# KiCad board HPM6E00FULLPORTRevB.kicad_pcb (continued)
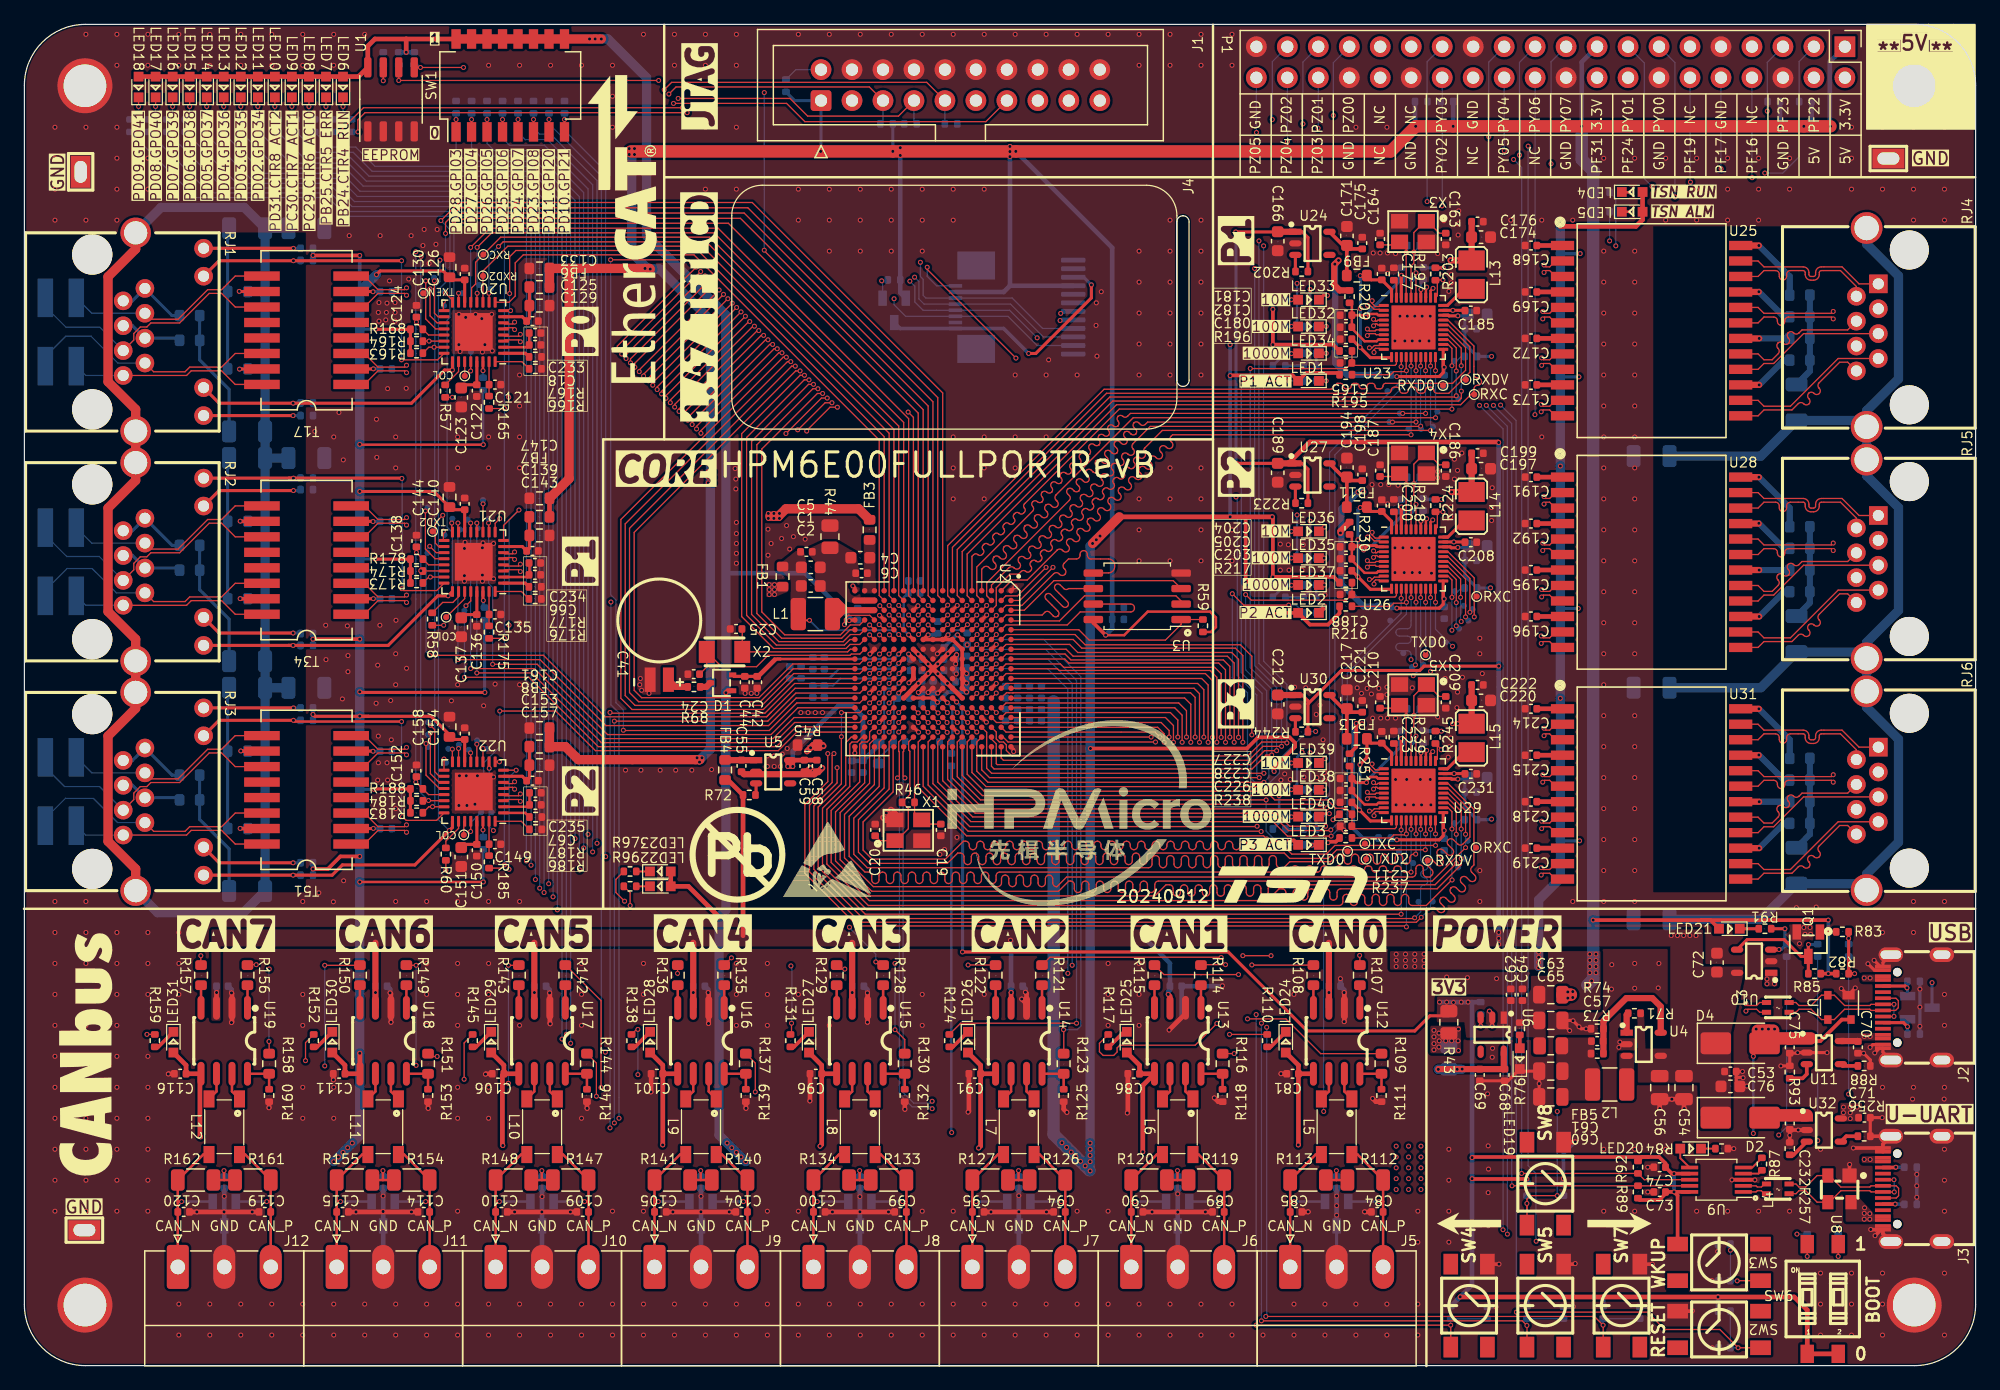
[diagram p0: board, top side]
## Routing (per net, layer and track width the routed paths; a pad name or vN(x,y) marks a point on that pad's centre or on a via; arc(x,y) is an arc through that point) (continued)
/HPM6E00 FULL PORT MAINENTRY/PB1: length 58.9
  Top w0.102: U2.G2 75.71,63.15 75.71,67.25 88.53,80.08 107.15,80.08 107.64,80.56 107.93,80.56 arc(108.09,80.49) 108.15,80.34 arc(108.22,80.18) 108.37,80.12 108.58,80.12 arc(108.74,80.18) 108.8,80.34 arc(108.87,80.49) 109.02,80.56 109.23,80.56 arc(109.39,80.49) 109.45,80.34 arc(109.52,80.18) 109.67,80.12 109.88,80.12 arc(110.04,80.18) 110.1,80.34 arc(110.17,80.49) 110.32,80.56 110.53,80.56 arc(110.69,80.49) 110.75,80.34 arc(110.82,80.18) 110.97,80.12 111.18,80.12 arc(111.34,80.18) 111.4,80.34 arc(111.47,80.49) 111.62,80.56 117.11,80.56 118.18,81.63 118.18,83.51 116.73,84.95 U23.25
/HPM6E00 FULL PORT MAINENTRY/PB2: length 55.8
  Top w0.102: v1(117.82,82.01) 117.82,83.45 116.73,84.55 U23.24 ; U2.F1 76.9,66.77 89.25,79.11 117.59,79.11 117.83,79.35 v1(117.83,79.92)
  Bottom w0.102: v1(117.82,82.01) 117.82,81.25 arc(117.87,81.13) 117.99,81.08 arc(118.11,81.03) RXD1#4.1 118.16,80.75 arc(118.11,80.63) 117.99,80.58 arc(117.87,80.53) 117.82,80.41 117.82,79.93 v1(117.83,79.92)
/HPM6E00 FULL PORT MAINENTRY/PB3: length 55.8
  Top w0.102: U2.F2 76.49,63.16 76.49,66.93 89,79.44 117.31,79.44 v1(117.41,79.54) ; U23.23 116.73,84.15 117.41,83.47 v1(117.41,81.57)
  Bottom w0.102: v1(117.41,81.57) 117.41,79.54 v1(117.41,79.54)
/HPM6E00 FULL PORT MAINENTRY/PB4: length 57.1
  Top w0.102: U23.22 116.74,83.75 117.06,83.43 v1(117.06,82.01) ; v1(117.06,78.45) 89.78,78.45 82.08,70.76 82,70.67 arc(81.93,70.5) 82,70.33 arc(82.07,70.16) 82,69.99 81.92,69.91 arc(81.75,69.84) 81.58,69.91 arc(81.41,69.98) 81.23,69.91 81.15,69.83 arc(81.08,69.65) 81.15,69.48 arc(81.23,69.31) 81.15,69.14 81.07,69.06 arc(80.9,68.99) 80.73,69.06 arc(80.56,69.13) 80.39,69.06 80.31,68.98 arc(80.23,68.81) 80.31,68.63 arc(80.38,68.46) 80.31,68.29 80.23,68.21 arc(80.05,68.14) 79.88,68.21 arc(79.71,68.28) 79.54,68.21 79.46,68.13 arc(79.39,67.96) 79.46,67.79 arc(79.53,67.61) 79.46,67.44 79.38,67.36 arc(79.21,67.29) 79.03,67.36 arc(78.86,67.43) 78.69,67.36 78.61,67.28 arc(78.54,67.11) 78.61,66.94 arc(78.68,66.76) 78.61,66.59 78.53,66.51 arc(78.36,66.44) 78.18,66.51 arc(78.01,66.58) 77.84,66.51 77.7,66.37 U2.E1
  Bottom w0.102: v1(117.06,78.45) v1(117.06,82.01) 117.82,82.77 R194.2
/HPM6E00 FULL PORT MAINENTRY/PB5: length 58.9
  Top w0.102: U23.27 116.73,85.75 118.86,83.62 118.86,81.3 arc(118.95,81.09) 119.16,81 119.19,81 arc(119.4,80.91) 119.49,80.7 arc(119.4,80.49) 119.19,80.4 119.16,80.4 arc(118.95,80.31) 118.86,80.1 118.86,79.9 117.77,78.81 89.55,78.81 77.31,66.56 77.31,63.15 U2.E2
/HPM6E00 FULL PORT MAINENTRY/PB6: length 55.8
  Top w0.102: U2.D1 78.5,65.32 78.65,65.47 arc(78.87,65.56) 79.08,65.47 79.17,65.38 arc(79.39,65.29) 79.6,65.38 arc(79.69,65.59) 79.6,65.8 79.5,65.9 arc(79.41,66.11) 79.5,66.32 arc(79.71,66.41) 79.93,66.32 80.02,66.22 arc(80.23,66.14) 80.45,66.22 arc(80.53,66.44) 80.45,66.65 80.35,66.74 arc(80.26,66.96) 80.35,67.17 arc(80.56,67.26) 80.77,67.17 80.87,67.07 arc(81.08,66.99) 81.29,67.07 arc(81.38,67.29) 81.29,67.5 81.2,67.59 arc(81.11,67.8) 81.2,68.02 arc(81.41,68.1) 81.62,68.02 81.72,67.92 arc(81.93,67.83) 82.14,67.92 arc(82.23,68.13) 82.14,68.35 82.05,68.44 arc(81.96,68.65) 82.05,68.87 arc(82.26,68.95) 82.47,68.87 82.57,68.77 arc(82.78,68.68) 82.99,68.77 arc(83.08,68.98) 82.99,69.19 82.9,69.29 arc(82.81,69.5) 82.9,69.71 arc(83.11,69.8) 83.32,69.71 83.42,69.62 arc(83.63,69.53) 83.84,69.62 arc(83.93,69.83) 83.84,70.04 83.74,70.14 arc(83.66,70.35) 83.74,70.56 arc(83.96,70.65) 84.17,70.56 84.26,70.47 arc(84.48,70.38) 84.69,70.47 arc(84.78,70.68) 84.69,70.89 84.59,70.99 arc(84.51,71.2) 84.59,71.41 90.92,77.74 113.96,77.74 113.96,77.74 114.26,77.74 114.26,77.74 v1(115.71,77.74) ; U23.20 115.71,81.61 v1(115.71,81.6)
  Bottom w0.102: v1(115.71,77.74) v1(115.71,81.6)
/HPM6E00 FULL PORT MAINENTRY/PB7: length 56
  Top w0.102: v1(114.9,78.09) 114.9,78.1 v1(113.02,78.1) 90.69,78.1 90.45,77.86 arc(90.26,77.78) 90.07,77.86 arc(89.88,77.94) 89.68,77.86 89.68,77.85 arc(89.6,77.66) 89.68,77.47 arc(89.76,77.27) 89.68,77.08 89.68,77.08 arc(89.48,77) 89.29,77.08 arc(89.1,77.16) 88.91,77.08 88.9,77.07 arc(88.82,76.88) 88.9,76.69 arc(88.98,76.5) 88.9,76.3 88.9,76.3 arc(88.71,76.22) 88.51,76.3 arc(88.32,76.38) 88.13,76.3 88.12,76.3 arc(88.04,76.1) 88.12,75.91 arc(88.2,75.72) 88.12,75.53 88.12,75.52 arc(87.93,75.44) 87.74,75.52 arc(87.54,75.6) 87.35,75.52 87.35,75.52 arc(87.27,75.33) 87.35,75.13 arc(87.43,74.94) 87.35,74.75 87.34,74.74 arc(87.15,74.66) 86.96,74.74 arc(86.76,74.82) 86.57,74.74 86.57,74.74 arc(86.49,74.55) 86.57,74.36 arc(86.65,74.16) 86.57,73.97 86.56,73.97 arc(86.37,73.89) 86.18,73.97 arc(85.99,74.05) 85.79,73.97 85.79,73.96 arc(85.71,73.77) 85.79,73.58 arc(85.87,73.39) 85.79,73.19 85.79,73.19 arc(85.59,73.11) 85.4,73.19 arc(85.21,73.27) 85.02,73.19 85.01,73.19 arc(84.93,72.99) 85.01,72.8 arc(85.09,72.61) 85.01,72.41 85.01,72.41 arc(84.82,72.33) 84.62,72.41 arc(84.43,72.49) 84.24,72.41 84.24,72.41 arc(84.16,72.21) 84.24,72.02 arc(84.32,71.83) 84.24,71.64 84.23,71.63 arc(84.04,71.55) 83.85,71.63 arc(83.65,71.71) 83.46,71.63 83.46,71.63 arc(83.38,71.44) 83.46,71.24 arc(83.54,71.05) 83.46,70.86 83.45,70.86 arc(83.26,70.78) 83.07,70.86 arc(82.88,70.94) 82.68,70.86 82.68,70.85 arc(82.6,70.66) 82.68,70.47 arc(82.76,70.27) 82.68,70.08 78.09,65.5 78.09,63.16 U2.D2 ; v1(114.9,81.6) 114.91,81.61 U23.18
  Bottom w0.102: v1(114.9,78.09) v1(114.9,81.6)
  Bottom w0.3: v1(113.02,78.1) 113.02,78.09 TXD0#3.1
/HPM6E00 FULL PORT MAINENTRY/PB8: length 55.8
  Top w0.102: U2.C1 79.3,64.01 80.72,65.43 arc(80.94,65.52) 81.15,65.43 81.17,65.41 arc(81.38,65.32) 81.6,65.41 arc(81.68,65.62) 81.6,65.83 81.57,65.86 arc(81.48,66.07) 81.57,66.28 arc(81.78,66.37) 82,66.28 82.02,66.26 arc(82.23,66.17) 82.45,66.26 arc(82.53,66.47) 82.45,66.68 82.42,66.71 arc(82.33,66.92) 82.42,67.13 arc(82.63,67.22) 82.85,67.13 82.87,67.11 arc(83.08,67.02) 83.29,67.11 arc(83.38,67.32) 83.29,67.53 83.27,67.55 arc(83.18,67.77) 83.27,67.98 arc(83.48,68.07) 83.69,67.98 83.72,67.95 arc(83.93,67.87) 84.14,67.95 arc(84.23,68.17) 84.14,68.38 84.12,68.4 arc(84.03,68.61) 84.12,68.83 arc(84.33,68.91) 84.54,68.83 84.57,68.8 arc(84.78,68.71) 84.99,68.8 arc(85.08,69.01) 84.99,69.23 84.97,69.25 arc(84.88,69.46) 84.97,69.68 arc(85.18,69.76) 85.39,69.68 85.42,69.65 arc(85.63,69.56) 85.84,69.65 arc(85.93,69.86) 85.84,70.08 85.81,70.1 arc(85.73,70.31) 85.81,70.52 arc(86.03,70.61) 86.24,70.52 86.26,70.5 arc(86.48,70.41) 86.69,70.5 arc(86.78,70.71) 86.69,70.92 86.66,70.95 arc(86.58,71.16) 86.66,71.37 arc(86.88,71.46) 87.09,71.37 87.11,71.35 arc(87.32,71.26) 87.54,71.35 arc(87.62,71.56) 87.54,71.77 87.51,71.8 arc(87.42,72.01) 87.51,72.22 arc(87.72,72.31) 87.94,72.22 87.96,72.2 arc(88.17,72.11) 88.39,72.2 arc(88.47,72.41) 88.39,72.62 88.36,72.65 arc(88.27,72.86) 88.36,73.07 arc(88.57,73.16) 88.78,73.07 88.81,73.05 arc(89.02,72.96) 89.23,73.05 arc(89.32,73.26) 89.23,73.47 89.21,73.49 arc(89.12,73.71) 89.21,73.92 arc(89.42,74.01) 89.63,73.92 89.66,73.89 arc(89.87,73.81) 90.08,73.89 arc(90.17,74.11) 90.08,74.32 90.06,74.34 arc(89.97,74.55) 90.06,74.77 arc(90.27,74.85) 90.48,74.77 90.51,74.74 arc(90.72,74.65) 90.93,74.74 arc(91.02,74.95) 90.93,75.17 90.91,75.19 arc(90.82,75.4) 90.91,75.62 92.32,77.03 114.47,77.03 v1(114.49,77.05) ; U23.17 114.51,81.99 v1(114.49,81.98)
  Bottom w0.102: v1(114.49,77.05) v1(114.49,81.98)
/HPM6E00 FULL PORT MAINENTRY/PB9: length 55.8
  Top w0.102: U2.C2 78.91,63.15 78.91,64.19 85.68,70.96 arc(85.76,71.16) 85.68,71.35 85.54,71.49 arc(85.46,71.69) 85.54,71.88 arc(85.74,71.96) 85.93,71.88 86.07,71.74 arc(86.27,71.66) 86.46,71.74 arc(86.54,71.94) 86.46,72.13 86.32,72.27 arc(86.24,72.46) 86.32,72.66 arc(86.52,72.74) 86.71,72.66 86.85,72.52 arc(87.04,72.44) 87.24,72.52 arc(87.32,72.71) 87.24,72.91 87.1,73.05 arc(87.02,73.24) 87.1,73.44 arc(87.29,73.52) 87.49,73.44 87.63,73.3 arc(87.82,73.22) 88.02,73.3 arc(88.1,73.49) 88.02,73.69 87.88,73.83 arc(87.8,74.02) 87.88,74.22 arc(88.07,74.3) 88.27,74.22 88.41,74.08 arc(88.6,73.99) 88.79,74.08 arc(88.88,74.27) 88.79,74.46 88.66,74.6 arc(88.57,74.8) 88.66,74.99 arc(88.85,75.07) 89.04,74.99 89.18,74.85 arc(89.38,74.77) 89.57,74.85 arc(89.65,75.05) 89.57,75.24 89.43,75.38 arc(89.35,75.58) 89.43,75.77 arc(89.63,75.85) 89.82,75.77 89.96,75.63 arc(90.16,75.55) 90.35,75.63 arc(90.43,75.83) 90.35,76.02 90.21,76.16 arc(90.13,76.35) 90.21,76.55 arc(90.41,76.63) 90.6,76.55 90.74,76.41 arc(90.93,76.33) 91.13,76.41 arc(91.21,76.6) 91.13,76.8 90.99,76.94 arc(90.91,77.13) 90.99,77.33 arc(91.18,77.41) 91.38,77.33 91.52,77.19 arc(91.71,77.11) 91.91,77.19 92.1,77.38 v1(112.18,77.38) 114.11,77.38 v1(114.11,77.39) ; v1(114.11,81.6) 114.11,81.61 U23.16
  Bottom w0.102: v1(114.11,77.39) 114.11,77.39 v1(114.11,81.6)
/HPM6E00 FULL PORT MAINENTRY/PB10: length 55
  Top w0.102: U2.B1 80.98,64.43 82.24,64.43 84.69,66.88 arc(84.9,66.97) 85.11,66.88 85.18,66.81 arc(85.39,66.72) 85.61,66.81 arc(85.69,67.02) 85.61,67.23 85.54,67.31 arc(85.45,67.52) 85.54,67.73 arc(85.75,67.82) 85.96,67.73 86.03,67.66 arc(86.24,67.57) 86.45,67.66 arc(86.54,67.87) 86.45,68.08 86.38,68.15 arc(86.3,68.37) 86.38,68.58 arc(86.6,68.67) 86.81,68.58 86.88,68.51 arc(87.09,68.42) 87.3,68.51 arc(87.39,68.72) 87.3,68.93 87.23,69 arc(87.14,69.21) 87.23,69.43 arc(87.44,69.51) 87.66,69.43 87.73,69.36 arc(87.94,69.27) 88.15,69.36 arc(88.24,69.57) 88.15,69.78 88.08,69.85 arc(87.99,70.06) 88.08,70.28 arc(88.29,70.36) 88.51,70.28 88.58,70.2 arc(88.79,70.12) 89,70.2 arc(89.09,70.42) 89,70.63 88.93,70.7 arc(88.84,70.91) 88.93,71.12 arc(89.14,71.21) 89.35,71.12 89.42,71.05 arc(89.64,70.97) 89.85,71.05 arc(89.94,71.27) 89.85,71.48 89.78,71.55 arc(89.69,71.76) 89.78,71.97 arc(89.99,72.06) 90.2,71.97 90.27,71.9 arc(90.49,71.81) 90.7,71.9 arc(90.79,72.11) 90.7,72.33 90.63,72.4 arc(90.54,72.61) 90.63,72.82 arc(90.84,72.91) 91.05,72.82 91.12,72.75 arc(91.33,72.66) 91.55,72.75 arc(91.63,72.96) 91.55,73.17 91.48,73.25 arc(91.39,73.46) 91.48,73.67 arc(91.69,73.76) 91.9,73.67 91.97,73.6 arc(92.18,73.51) 92.39,73.6 arc(92.48,73.81) 92.39,74.02 92.32,74.09 arc(92.24,74.31) 92.32,74.52 arc(92.54,74.61) 92.75,74.52 92.82,74.45 arc(93.03,74.36) 93.24,74.45 arc(93.33,74.66) 93.24,74.87 93.17,74.94 arc(93.08,75.15) 93.17,75.37 arc(93.38,75.45) 93.6,75.37 93.67,75.3 arc(93.88,75.21) 94.09,75.3 arc(94.18,75.51) 94.09,75.72 94.02,75.79 arc(93.93,76) 94.02,76.22 94.15,76.34 v1(113.71,76.34) ; v1(113.71,81.98) 113.71,81.98 U23.15
  Bottom w0.102: v1(113.71,81.98) v1(113.71,76.34)
/HPM6E00 FULL PORT MAINENTRY/PB11: length 55.8
  Top w0.102: U2.C3 79.7,62.35 79.7,63.79 80.81,64.91 81.52,64.91 81.75,65.14 arc(81.93,65.21) 82.1,65.14 arc(82.28,65.07) 82.45,65.14 82.53,65.21 arc(82.6,65.39) 82.53,65.57 arc(82.46,65.74) 82.53,65.92 82.6,65.99 arc(82.78,66.06) 82.95,65.99 arc(83.13,65.92) 83.3,65.99 83.38,66.06 arc(83.45,66.24) 83.38,66.41 arc(83.3,66.59) 83.38,66.76 83.45,66.84 arc(83.63,66.91) 83.8,66.84 arc(83.98,66.77) 84.15,66.84 84.22,66.91 arc(84.3,67.09) 84.22,67.26 arc(84.15,67.44) 84.22,67.61 84.3,67.69 arc(84.47,67.76) 84.65,67.69 arc(84.82,67.61) 85,67.69 85.07,67.76 arc(85.15,67.94) 85.07,68.11 arc(85,68.29) 85.07,68.46 85.15,68.53 arc(85.32,68.61) 85.5,68.53 arc(85.67,68.46) 85.85,68.53 85.92,68.61 arc(85.99,68.78) 85.92,68.96 arc(85.85,69.13) 85.92,69.31 86,69.38 arc(86.17,69.46) 86.35,69.38 arc(86.52,69.31) 86.7,69.38 86.77,69.46 arc(86.84,69.63) 86.77,69.81 arc(86.7,69.98) 86.77,70.16 86.84,70.23 arc(87.02,70.3) 87.19,70.23 arc(87.37,70.16) 87.55,70.23 87.62,70.31 arc(87.69,70.48) 87.62,70.66 arc(87.55,70.83) 87.62,71.01 87.69,71.08 arc(87.87,71.15) 88.04,71.08 arc(88.22,71.01) 88.39,71.08 88.47,71.15 arc(88.54,71.33) 88.47,71.5 arc(88.39,71.68) 88.47,71.86 88.54,71.93 arc(88.72,72) 88.89,71.93 arc(89.07,71.86) 89.24,71.93 89.32,72 arc(89.39,72.18) 89.32,72.35 arc(89.24,72.53) 89.32,72.7 89.39,72.78 arc(89.56,72.85) 89.74,72.78 arc(89.92,72.7) 90.09,72.78 90.16,72.85 arc(90.24,73.03) 90.16,73.2 arc(90.09,73.38) 90.16,73.55 90.24,73.63 arc(90.41,73.7) 90.59,73.63 arc(90.76,73.55) 90.94,73.63 91.01,73.7 arc(91.09,73.87) 91.01,74.05 arc(90.94,74.23) 91.01,74.4 91.09,74.47 arc(91.26,74.55) 91.44,74.47 arc(91.61,74.4) 91.79,74.47 91.86,74.55 arc(91.93,74.72) 91.86,74.9 arc(91.79,75.07) 91.86,75.25 93.31,76.7 v1(115.31,76.7) ; v1(115.31,81.98) 115.31,81.98 U23.19
  Bottom w0.102: v1(115.31,81.98) v1(115.31,76.7)
/HPM6E00 FULL PORT MAINENTRY/PB12: length 51.8
  Top w0.102: v1(118.53,61.79) 118.53,64.56 116.74,66.35 U26.26 ; U2.G4 76.1,61.17 v1(76.49,61.56)
  POWER3 w0.102: v1(76.49,61.56) 76.88,61.94 76.88,62.98 78.98,65.09 100.35,65.09 103.67,61.76 118.51,61.76 v1(118.53,61.79)
/HPM6E00 FULL PORT MAINENTRY/PB13: length 51.7
  Top w0.102: U26.25 116.73,65.95 118.18,64.51 v1(118.18,61.41) ; v1(77.28,62.35) 77.28,62.33 U2.F3
  POWER3 w0.102: v1(77.28,62.35) 77.28,62.88 79.11,64.71 96.56,64.71 96.76,64.51 arc(96.98,64.42) 97.19,64.51 97.47,64.79 arc(97.68,64.88) 97.9,64.79 arc(97.98,64.58) 97.9,64.36 97.61,64.08 arc(97.52,63.87) 97.61,63.66 99.86,61.41 100.35,61.41 arc(100.53,61.48) 100.6,61.67 arc(100.68,61.85) 100.86,61.92 100.95,61.92 arc(101.13,61.85) 101.2,61.67 arc(101.28,61.48) 101.46,61.41 118.18,61.41 v1(118.18,61.41)
/HPM6E00 FULL PORT MAINENTRY/PB14: length 51.5
  Top w0.102: v1(117.77,63.01) 117.77,64.51 116.73,65.55 U26.24 ; U2.F4 77.28,61.53 v1(77.31,61.53)
  POWER3 w0.102: v1(77.31,61.53) 77.69,61.92 77.69,62.78 79.21,64.3 91.51,64.3 arc(91.67,64.24) 91.73,64.08 arc(91.8,63.92) 91.95,63.86 92.11,63.86 arc(92.27,63.92) 92.33,64.08 arc(92.4,64.24) 92.55,64.3 92.71,64.3 arc(92.87,64.24) 92.93,64.08 arc(93,63.92) 93.15,63.86 93.31,63.86 arc(93.47,63.92) 93.53,64.08 arc(93.6,64.24) 93.75,64.3 93.91,64.3 arc(94.07,64.24) 94.13,64.08 arc(94.2,63.92) 94.35,63.86 94.51,63.86 arc(94.67,63.92) 94.73,64.08 arc(94.8,64.24) 94.95,64.3 95.11,64.3 arc(95.27,64.24) 95.33,64.08 arc(95.4,63.92) 95.55,63.86 95.71,63.86 arc(95.87,63.92) 95.93,64.08 arc(96,64.24) 96.15,64.3 96.41,64.3 99.68,61.03 v1(117.82,61.03)
  Bottom w0.102: v1(117.82,61.03) 117.77,61.08 117.77,63.01 v1(117.77,63.01)
/HPM6E00 FULL PORT MAINENTRY/PB15: length 51.5
  Top w0.102: v1(78.09,62.35) U2.E3 ; v1(117.41,62.58) 117.41,64.47 116.73,65.15 U26.23
  POWER3 w0.102: v1(117.41,60.67) 99.46,60.67 96.61,63.52 91.4,63.52 arc(91.23,63.59) 91.15,63.77 arc(91.08,63.95) 90.9,64.02 90.8,64.02 arc(90.63,63.95) 90.55,63.77 arc(90.48,63.59) 90.3,63.52 90.2,63.52 arc(90.03,63.59) 89.95,63.77 arc(89.88,63.95) 89.7,64.02 89.6,64.02 arc(89.43,63.95) 89.35,63.77 arc(89.28,63.59) 89.1,63.52 89,63.52 arc(88.83,63.59) 88.75,63.77 arc(88.68,63.95) 88.5,64.02 88.4,64.02 arc(88.23,63.95) 88.15,63.77 arc(88.08,63.59) 87.9,63.52 87.8,63.52 arc(87.63,63.59) 87.55,63.77 arc(87.48,63.95) 87.3,64.02 87.2,64.02 arc(87.03,63.95) 86.95,63.77 arc(86.88,63.59) 86.7,63.52 86.6,63.52 arc(86.43,63.59) 86.35,63.77 arc(86.28,63.95) 86.1,64.02 86,64.02 arc(85.83,63.95) 85.75,63.77 arc(85.68,63.59) 85.5,63.52 85.4,63.52 arc(85.23,63.59) 85.15,63.77 arc(85.08,63.95) 84.9,64.02 84.8,64.02 arc(84.63,63.95) 84.55,63.77 arc(84.48,63.59) 84.3,63.52 84.2,63.52 arc(84.03,63.59) 83.95,63.77 arc(83.88,63.95) 83.7,64.02 83.6,64.02 arc(83.43,63.95) 83.35,63.77 arc(83.28,63.59) 83.1,63.52 83,63.52 arc(82.83,63.59) 82.75,63.77 arc(82.68,63.95) 82.5,64.02 82.4,64.02 arc(82.23,63.95) 82.15,63.77 arc(82.08,63.59) 81.9,63.52 78.96,63.52 78.09,62.65 v1(78.09,62.35)
  Bottom w0.102: v1(117.41,60.67) v1(117.41,62.58)
/HPM6E00 FULL PORT MAINENTRY/PB16: length 64.9
  Top w0.102: v1(117.06,63.01) 117.06,64.43 116.74,64.75 U26.22 ; v1(78.09,61.56) 77.7,61.17 U2.E4
  POWER3 w0.102: v1(78.09,61.56) 78.09,61.76 78.5,62.17 78.5,62.58 79.06,63.13 96.38,63.13 96.61,62.91 arc(96.7,62.69) 96.61,62.48 96.33,62.2 arc(96.24,61.99) 96.33,61.77 arc(96.54,61.69) 96.75,61.77 97.04,62.06 arc(97.25,62.15) 97.46,62.06 arc(97.55,61.85) 97.46,61.63 97.18,61.35 arc(97.09,61.14) 97.18,60.93 arc(97.39,60.84) 97.6,60.93 97.88,61.21 arc(98.1,61.3) 98.31,61.21 arc(98.4,61) 98.31,60.78 98.03,60.5 arc(97.94,60.29) 98.03,60.08 arc(98.24,59.99) 98.45,60.08 98.73,60.36 arc(98.94,60.45) 99.16,60.36 99.21,60.31 99.51,60.31 arc(99.72,60.22) 99.81,60.01 99.81,59.91 arc(99.89,59.7) 100.11,59.61 arc(100.32,59.7) 100.41,59.91 100.41,60.01 arc(100.49,60.22) 100.71,60.31 arc(100.92,60.22) 101.01,60.01 101.01,59.91 arc(101.09,59.7) 101.31,59.61 arc(101.52,59.7) 101.61,59.91 101.61,60.01 arc(101.69,60.22) 101.91,60.31 arc(102.12,60.22) 102.21,60.01 102.21,59.91 arc(102.29,59.7) 102.51,59.61 arc(102.72,59.7) 102.81,59.91 102.81,60.01 arc(102.89,60.22) 103.11,60.31 arc(103.32,60.22) 103.41,60.01 103.41,59.91 arc(103.49,59.7) 103.71,59.61 arc(103.92,59.7) 104.01,59.91 104.01,60.01 arc(104.09,60.22) 104.31,60.31 arc(104.52,60.22) 104.61,60.01 104.61,59.91 arc(104.69,59.7) 104.91,59.61 arc(105.12,59.7) 105.21,59.91 105.21,60.01 arc(105.29,60.22) 105.51,60.31 arc(105.72,60.22) 105.81,60.01 105.81,59.91 arc(105.89,59.7) 106.11,59.61 arc(106.32,59.7) 106.41,59.91 106.41,60.01 arc(106.49,60.22) 106.71,60.31 arc(106.92,60.22) 107.01,60.01 107.01,59.91 arc(107.09,59.7) 107.31,59.61 arc(107.52,59.7) 107.61,59.91 107.61,60.01 arc(107.69,60.22) 107.91,60.31 arc(108.12,60.22) 108.21,60.01 108.21,59.91 arc(108.29,59.7) 108.51,59.61 arc(108.72,59.7) 108.81,59.91 108.81,60.01 arc(108.89,60.22) 109.11,60.31 arc(109.32,60.22) 109.41,60.01 109.41,59.91 arc(109.49,59.7) 109.71,59.61 arc(109.92,59.7) 110.01,59.91 110.01,60.01 arc(110.09,60.22) 110.31,60.31 arc(110.52,60.22) 110.61,60.01 110.61,59.91 arc(110.69,59.7) 110.91,59.61 arc(111.12,59.7) 111.21,59.91 111.21,60.01 arc(111.29,60.22) 111.51,60.31 arc(111.72,60.22) 111.81,60.01 111.81,59.91 arc(111.89,59.7) 112.11,59.61 arc(112.32,59.7) 112.41,59.91 112.41,60.01 arc(112.49,60.22) 112.71,60.31 arc(112.92,60.22) 113.01,60.01 113.01,59.91 arc(113.09,59.7) 113.31,59.61 arc(113.52,59.7) 113.61,59.91 113.61,60.01 arc(113.69,60.22) 113.91,60.31 arc(114.12,60.22) 114.21,60.01 114.21,59.91 arc(114.29,59.7) 114.51,59.61 arc(114.72,59.7) 114.81,59.91 114.81,60.01 arc(114.89,60.22) 115.11,60.31 arc(115.32,60.22) 115.41,60.01 115.41,59.91 arc(115.49,59.7) 115.71,59.61 arc(115.92,59.7) 116.01,59.91 116.01,60.01 arc(116.09,60.22) 116.31,60.31 v1(117.06,60.31)
  Bottom w0.102: R215.2 117.82,63.77 v1(117.06,63.01) 117.06,60.31 v1(117.06,60.31)
/HPM6E00 FULL PORT MAINENTRY/PB17: length 51.7
  Top w0.102: v1(118.89,61.4) 118.89,61.41 118.89,64.6 116.73,66.75 U26.27 ; v1(78.91,62.35) 78.51,61.95 U2.D3
  POWER3 w0.102: v1(118.89,61.4) 118.89,61.38 118.79,61.29 arc(118.71,61.08) 118.79,60.86 118.92,60.74 arc(119.01,60.53) 118.92,60.31 arc(118.71,60.23) 118.49,60.31 118.37,60.44 arc(118.16,60.53) 117.95,60.44 arc(117.86,60.23) 117.95,60.02 118.07,59.89 arc(118.16,59.68) 118.07,59.47 arc(117.86,59.38) 117.65,59.47 117.52,59.59 arc(117.31,59.68) 117.1,59.59 116.83,59.32 98.36,59.32 94.94,62.75 79.31,62.75 v1(78.91,62.35)
/HPM6E00 FULL PORT MAINENTRY/PB18: length 58.3
  Top w0.102: v1(115.71,62.6) 115.71,62.61 U26.20 ; v1(77.33,60.77) 77.32,60.77 U2.F5
  POWER3 w0.102: v1(77.33,60.77) 77.66,61.1 78.17,61.1 78.48,61.41 78.48,61.71 78.71,61.95 79.07,61.95 79.47,62.35 94.83,62.35 94.96,62.22 arc(95.04,62.03) 94.96,61.83 94.82,61.69 arc(94.74,61.5) 94.82,61.3 arc(95.01,61.22) 95.21,61.3 95.35,61.44 arc(95.54,61.52) 95.74,61.44 arc(95.82,61.25) 95.74,61.05 95.6,60.91 arc(95.52,60.72) 95.6,60.52 arc(95.79,60.44) 95.99,60.52 96.13,60.66 arc(96.32,60.74) 96.52,60.66 arc(96.6,60.47) 96.52,60.28 96.37,60.13 arc(96.29,59.94) 96.37,59.74 arc(96.57,59.66) 96.76,59.74 96.91,59.89 arc(97.1,59.97) 97.29,59.89 arc(97.37,59.69) 97.29,59.5 97.15,59.36 arc(97.07,59.16) 97.15,58.97 arc(97.35,58.89) 97.54,58.97 97.68,59.11 arc(97.88,59.19) 98.07,59.11 98.21,58.97 98.34,58.97 arc(98.49,58.91) 98.55,58.76 arc(98.61,58.61) 98.76,58.55 98.94,58.55 arc(99.09,58.61) 99.15,58.76 arc(99.21,58.91) 99.36,58.97 99.54,58.97 arc(99.69,58.91) 99.75,58.76 arc(99.81,58.61) 99.96,58.55 100.14,58.55 arc(100.29,58.61) 100.35,58.76 arc(100.41,58.91) 100.56,58.97 100.74,58.97 arc(100.89,58.91) 100.95,58.76 arc(101.01,58.61) 101.16,58.55 101.34,58.55 arc(101.49,58.61) 101.55,58.76 arc(101.61,58.91) 101.76,58.97 101.94,58.97 arc(102.09,58.91) 102.15,58.76 arc(102.21,58.61) 102.36,58.55 102.54,58.55 arc(102.69,58.61) 102.75,58.76 arc(102.81,58.91) 102.96,58.97 103.14,58.97 arc(103.29,58.91) 103.35,58.76 arc(103.41,58.61) 103.56,58.55 103.74,58.55 arc(103.89,58.61) 103.95,58.76 arc(104.01,58.91) 104.16,58.97 104.34,58.97 arc(104.49,58.91) 104.55,58.76 arc(104.61,58.61) 104.76,58.55 104.94,58.55 arc(105.09,58.61) 105.15,58.76 arc(105.21,58.91) 105.36,58.97 105.54,58.97 arc(105.69,58.91) 105.75,58.76 arc(105.81,58.61) 105.96,58.55 106.14,58.55 arc(106.29,58.61) 106.35,58.76 arc(106.41,58.91) 106.56,58.97 106.74,58.97 arc(106.89,58.91) 106.95,58.76 arc(107.01,58.61) 107.16,58.55 107.34,58.55 arc(107.49,58.61) 107.55,58.76 arc(107.61,58.91) 107.76,58.97 107.94,58.97 arc(108.09,58.91) 108.15,58.76 arc(108.21,58.61) 108.36,58.55 108.54,58.55 arc(108.69,58.61) 108.75,58.76 arc(108.81,58.91) 108.96,58.97 109.14,58.97 arc(109.29,58.91) 109.35,58.76 arc(109.41,58.61) 109.56,58.55 109.74,58.55 arc(109.89,58.61) 109.95,58.76 arc(110.01,58.91) 110.16,58.97 110.34,58.97 arc(110.49,58.91) 110.55,58.76 arc(110.61,58.61) 110.76,58.55 110.94,58.55 arc(111.09,58.61) 111.15,58.76 arc(111.21,58.91) 111.36,58.97 111.54,58.97 arc(111.69,58.91) 111.75,58.76 arc(111.81,58.61) 111.96,58.55 112.14,58.55 arc(112.29,58.61) 112.35,58.76 arc(112.41,58.91) 112.56,58.97 112.74,58.97 arc(112.89,58.91) 112.95,58.76 arc(113.01,58.61) 113.16,58.55 113.34,58.55 arc(113.49,58.61) 113.55,58.76 arc(113.61,58.91) 113.76,58.97 117.08,58.97 v1(117.11,58.99)
  Bottom w0.102: v1(115.71,62.6) 115.71,60.39 v1(117.11,58.99)
/HPM6E00 FULL PORT MAINENTRY/PB19: length 44.9
  Top w0.102: v1(78.09,60.75) U2.E5 ; v1(114.9,62.6) 114.91,62.61 U26.18
  POWER3 w0.102: v1(78.09,60.75) 78.25,60.75 78.65,61.15 79.06,61.15 79.29,61.38 79.29,61.76 79.49,61.97 93.74,61.97 97.45,58.26 114.57,58.26 v1(114.9,58.59)
  Bottom w0.102: v1(114.9,58.59) v1(114.9,62.6)
/HPM6E00 FULL PORT MAINENTRY/PB20: length 51.5
  Top w0.102: U2.E6 77.71,59.55 v1(78.12,59.96) ; v1(114.49,62.99) 114.51,63 U26.17
  POWER3 w0.102: v1(78.12,59.96) 78.5,60.34 89.04,60.34 93.23,56.15 95.01,56.15 arc(95.15,56.21) 95.2,56.34 arc(95.26,56.47) 95.39,56.53 95.61,56.53 arc(95.75,56.47) 95.8,56.34 arc(95.86,56.21) 95.99,56.15 96.21,56.15 arc(96.35,56.21) 96.4,56.34 arc(96.46,56.47) 96.59,56.53 96.81,56.53 arc(96.95,56.47) 97,56.34 arc(97.06,56.21) 97.19,56.15 97.41,56.15 arc(97.55,56.21) 97.6,56.34 arc(97.66,56.47) 97.79,56.53 98.01,56.53 arc(98.15,56.47) 98.2,56.34 arc(98.26,56.21) 98.39,56.15 98.61,56.15 arc(98.75,56.21) 98.8,56.34 arc(98.86,56.47) 98.99,56.53 99.21,56.53 arc(99.35,56.47) 99.4,56.34 arc(99.46,56.21) 99.59,56.15 99.81,56.15 arc(99.95,56.21) 100,56.34 arc(100.06,56.47) 100.19,56.53 100.41,56.53 arc(100.55,56.47) 100.6,56.34 arc(100.66,56.21) 100.79,56.15 101.01,56.15 arc(101.15,56.21) 101.2,56.34 arc(101.26,56.47) 101.39,56.53 101.61,56.53 arc(101.75,56.47) 101.8,56.34 arc(101.86,56.21) 101.99,56.15 102.21,56.15 arc(102.35,56.21) 102.4,56.34 arc(102.46,56.47) 102.59,56.53 102.81,56.53 arc(102.95,56.47) 103,56.34 arc(103.06,56.21) 103.19,56.15 103.41,56.15 arc(103.55,56.21) 103.6,56.34 arc(103.66,56.47) 103.79,56.53 104.01,56.53 arc(104.15,56.47) 104.2,56.34 arc(104.26,56.21) 104.39,56.15 104.61,56.15 arc(104.75,56.21) 104.8,56.34 arc(104.86,56.47) 104.99,56.53 105.21,56.53 arc(105.35,56.47) 105.4,56.34 arc(105.46,56.21) 105.59,56.15 105.81,56.15 arc(105.95,56.21) 106,56.34 arc(106.06,56.48) 106.19,56.53 106.41,56.53 arc(106.55,56.48) 106.6,56.34 arc(106.66,56.21) 106.79,56.15 107.01,56.15 arc(107.15,56.21) 107.2,56.34 arc(107.26,56.48) 107.39,56.53 107.61,56.53 arc(107.75,56.48) 107.8,56.34 arc(107.86,56.21) 107.99,56.15 108.21,56.15 arc(108.35,56.21) 108.4,56.34 arc(108.46,56.48) 108.59,56.53 108.81,56.53 arc(108.95,56.48) 109,56.34 arc(109.06,56.21) 109.19,56.15 109.41,56.15 arc(109.55,56.21) 109.6,56.34 arc(109.66,56.48) 109.79,56.53 110.01,56.53 arc(110.15,56.48) 110.2,56.34 arc(110.26,56.21) 110.39,56.15 113.45,56.15 v1(113.88,56.58)
  Bottom w0.102: v1(113.88,56.58) 114.49,57.19 v1(114.49,62.99)
/HPM6E00 FULL PORT MAINENTRY/PB21: length 49.7
  Top w0.102: v1(114.11,62.6) 114.11,62.61 U26.16 ; v1(78.91,60.75) 78.51,60.35 U2.D5
  POWER3 w0.102: v1(114.06,57.47) 113.99,57.39 95.93,57.39 95.69,57.63 arc(95.48,57.72) 95.26,57.63 94.98,57.35 arc(94.77,57.26) 94.56,57.35 arc(94.47,57.56) 94.56,57.77 94.84,58.06 arc(94.93,58.27) 94.84,58.48 arc(94.63,58.57) 94.41,58.48 94.13,58.2 arc(93.92,58.11) 93.71,58.2 arc(93.62,58.41) 93.71,58.62 93.99,58.9 arc(94.08,59.12) 93.99,59.33 arc(93.78,59.42) 93.57,59.33 93.28,59.05 arc(93.07,58.96) 92.86,59.05 arc(92.77,59.26) 92.86,59.47 93.14,59.75 arc(93.23,59.97) 93.14,60.18 arc(92.93,60.27) 92.72,60.18 92.43,59.89 arc(92.22,59.81) 92.01,59.89 arc(91.92,60.11) 92.01,60.32 92.29,60.6 arc(92.38,60.81) 92.29,61.03 92.19,61.13 79.49,61.13 79.11,60.75 v1(78.91,60.75)
  Bottom w0.102: v1(114.06,57.47) 114.11,57.52 v1(114.11,62.6)
